# KiCad board SparkFun_Thing_Plus_ESP32-S3_panelized.kicad_pcb (continued)
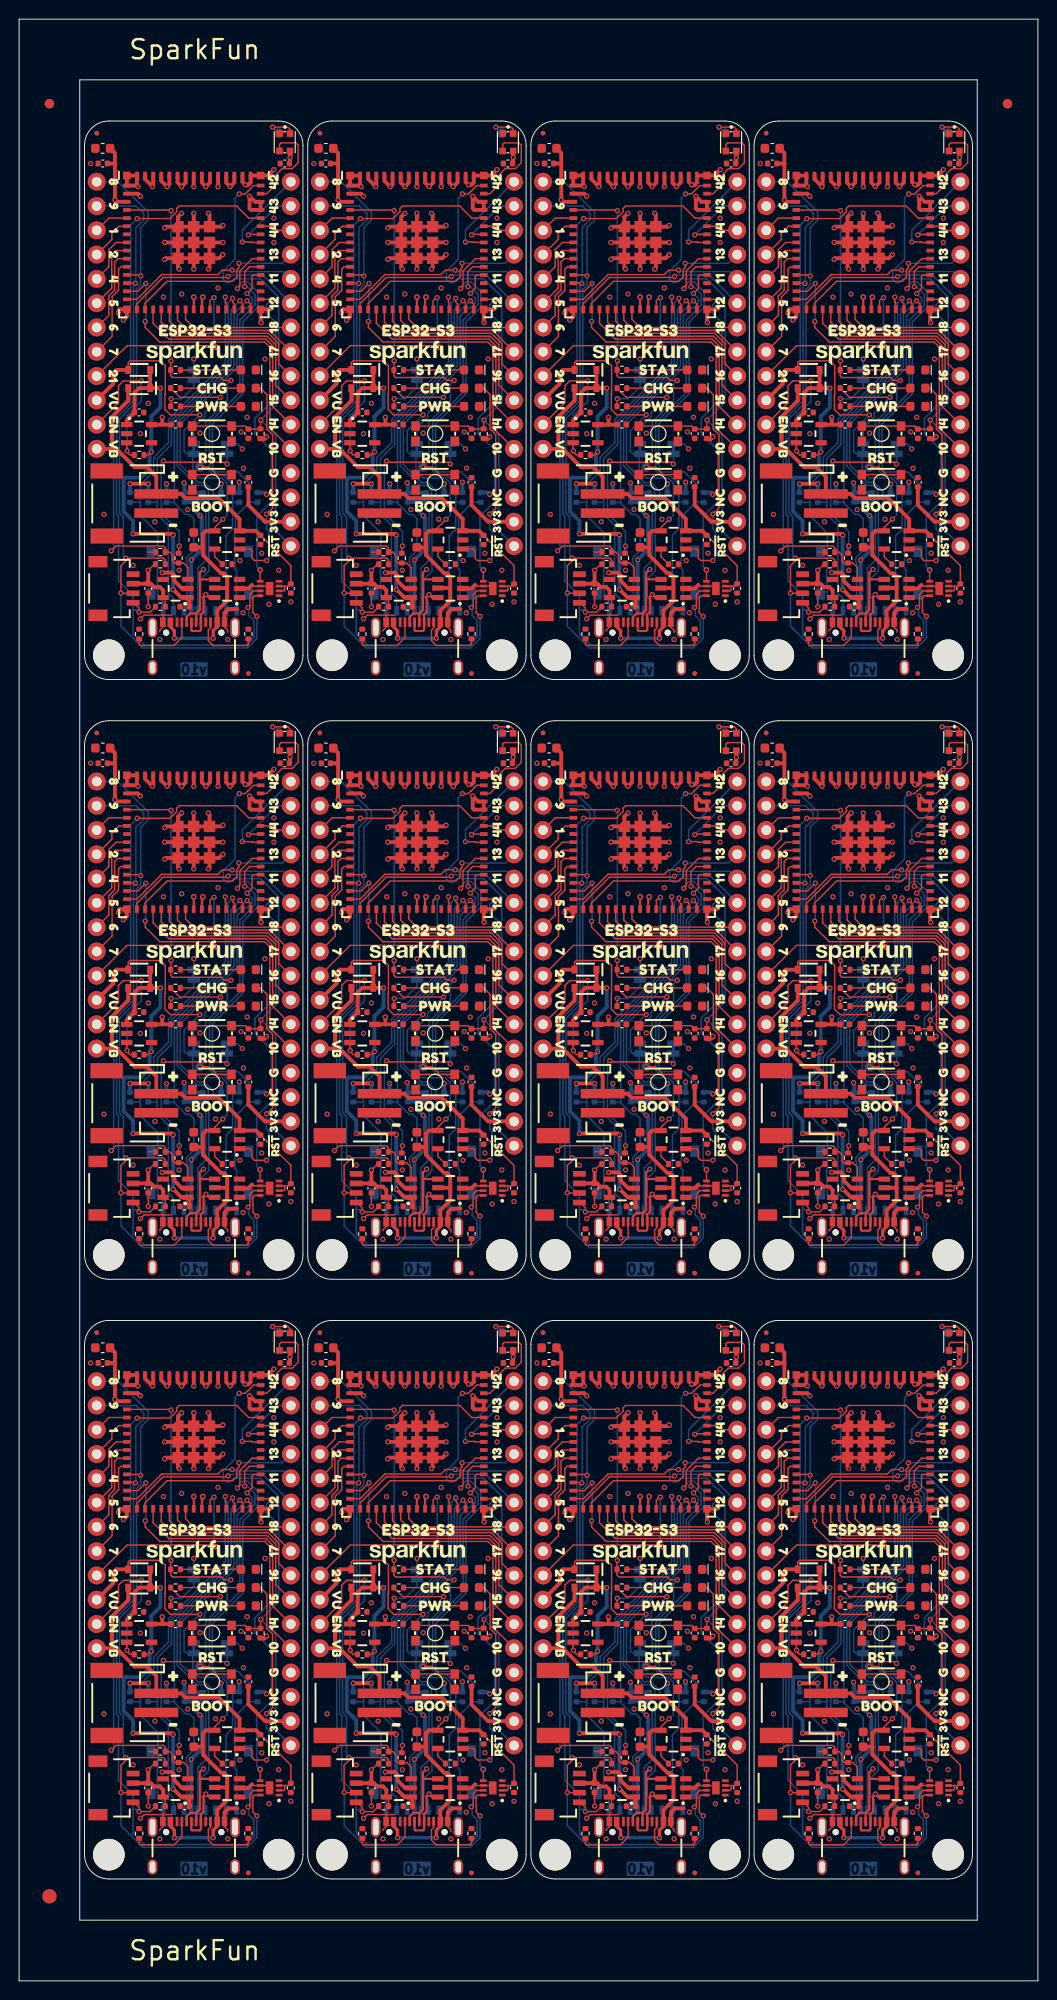
[diagram p0: board, top side]
## Routing (per net, layer and track width the routed paths; a pad name or vN(x,y) marks a point on that pad's centre or on a via; arc(x,y) is an arc through that point) (continued)
ESP42/FREE: length 124.1
  Top w0.152: U3#9.38 94.46,181.84 94.4,181.89 v1(93.44,181.89) ; v1(70.08,56.43) 71.04,56.43 71.1,56.38 U3#3.38 ; v1(70.08,119.16) 71.04,119.16 71.1,119.11 U3#7.38 ; U3#11.38 47.74,119.11 47.68,119.16 v1(46.72,119.16) ; U3#12.38 24.38,56.38 24.32,56.43 v1(23.36,56.43) ; U3#10.38 47.74,56.38 47.68,56.43 v1(46.72,56.43) ; U3#2.38 24.38,181.84 24.32,181.89 v1(23.36,181.89) ; v1(93.44,119.16) 94.4,119.16 94.46,119.11 U3#6.38 ; U3#4.38 47.74,181.84 47.68,181.89 v1(46.72,181.89) ; U3.38 94.46,56.38 94.4,56.43 v1(93.44,56.43) ; U3#8.38 71.1,181.84 71.04,181.89 v1(70.08,181.89) ; U3#5.38 24.38,119.11 24.32,119.16 v1(23.36,119.16)
  Bottom w0.152: U10#6.13 46.72,183.11 v1(46.72,181.89) ; v1(70.08,181.89) 70.08,183.11 U10#2.13 ; U10#5.13 46.72,120.38 v1(46.72,119.16) ; v1(23.36,119.16) 23.36,120.38 U10.13 ; U10#8.13 70.08,120.38 v1(70.08,119.16) ; v1(93.44,119.16) 93.44,120.38 U10#11.13 ; v1(93.44,56.43) 93.44,57.65 U10#10.13 ; v1(93.44,181.89) 93.44,183.11 U10#9.13 ; v1(46.72,56.43) 46.72,57.65 U10#3.13 ; U10#4.13 23.36,183.11 v1(23.36,181.89) ; v1(70.08,56.43) 70.08,57.65 U10#7.13 ; v1(23.36,56.43) 23.36,57.65 U10#12.13
ESP43/TXO: length 84
  Top w0.152: U3.39 94.34,57.23 94.28,57.17 v1(94.07,57.17) ; U3#7.39 70.98,119.96 70.92,119.9 v1(70.72,119.9) ; U3#6.39 94.34,119.96 94.28,119.9 v1(94.07,119.9) ; v1(24,57.17) 24.2,57.17 24.26,57.23 U3#12.39 ; v1(70.72,57.17) 70.92,57.17 70.98,57.23 U3#3.39 ; U3#2.39 24.26,182.69 24.2,182.63 v1(24,182.63) ; U3#11.39 47.62,119.96 47.56,119.9 v1(47.35,119.9) ; U3#9.39 94.34,182.69 94.28,182.63 v1(94.07,182.63) ; v1(70.72,182.63) 70.92,182.63 70.98,182.69 U3#8.39 ; v1(47.35,182.63) 47.56,182.63 47.62,182.69 U3#4.39 ; U3#5.39 24.26,119.96 24.2,119.9 v1(24,119.9) ; U3#10.39 47.62,57.23 47.56,57.17 v1(47.35,57.17)
  Bottom w0.152: v1(24,182.63) 27.01,185.65 U10#4.14 ; v1(47.35,57.17) 50.37,60.19 U10#3.14 ; v1(94.07,57.17) 97.09,60.19 U10#10.14 ; v1(47.35,119.9) 50.37,122.92 U10#5.14 ; U10.14 27.01,122.92 v1(24,119.9) ; U10#7.14 73.73,60.19 v1(70.72,57.17) ; U10#12.14 27.01,60.19 v1(24,57.17) ; v1(94.07,119.9) 97.09,122.92 U10#11.14 ; v1(47.35,182.63) 50.37,185.65 U10#6.14 ; v1(70.72,182.63) 73.73,185.65 U10#2.14 ; v1(70.72,119.9) 73.73,122.92 U10#8.14 ; v1(94.07,182.63) 97.09,185.65 U10#9.14
ESP44/RXI: length 40.1
  Top w0.152: U10#7.15 73.73,57.65 73.3,58.08 U3#3.40 ; U10.15 27.01,120.38 26.58,120.81 U3#5.40 ; U3#9.40 96.66,183.54 97.09,183.11 U10#9.15 ; U10#3.15 50.37,57.65 49.94,58.08 U3#10.40 ; U3#7.40 73.3,120.81 73.73,120.38 U10#8.15 ; U3#2.40 26.58,183.54 27.01,183.11 U10#4.15 ; U3#11.40 49.94,120.81 50.37,120.38 U10#5.15 ; U10#12.15 27.01,57.65 26.58,58.08 U3#12.40 ; U10#11.15 97.09,120.38 96.66,120.81 U3#6.40 ; U3.40 96.66,58.08 97.09,57.65 U10#10.15 ; U3#4.40 49.94,183.54 50.37,183.11 U10#6.15 ; U10#2.15 73.73,183.11 73.3,183.54 U3#8.40
ESP45/Q_EN: length 734.2
  Top w0.152: R19#11.1 62.46,24 62.78,23.68 62.78,23.04 62.97,22.85 R17#4.2 63.92,22.85 64.4,22.38 U1#6.3 ; R19#11.1 62.02,23.93 ; R19#11.1 62.02,24.44 61.82,24.63 56.87,24.63 v1(56.36,24.12) ; v1(12.36,184.34) 15.78,184.34 16.5,185.06 16.5,185.4 16.76,185.65 22.77,185.65 24.03,184.39 U3#2.41 ; v1(33,149.58) 33.51,150.09 38.47,150.09 38.66,149.9 R19#9.1 ; U1#2.3 41.04,22.38 40.56,22.85 R17#9.2 39.61,22.85 39.42,23.04 39.42,23.68 39.1,24 R19.1 ; v1(56.36,149.58) 56.87,150.09 61.82,150.09 62.02,149.9 R19#4.1 ; U3#4.41 47.39,184.39 46.13,185.65 40.12,185.65 39.86,185.4 39.86,185.06 39.14,184.34 v1(35.72,184.34) ; R19#2.1 85.38,23.93 ; R19#2.1 85.82,24 86.14,23.68 86.14,23.04 86.33,22.85 R17#7.2 87.28,22.85 87.76,22.38 U1#8.3 ; R19#2.1 85.38,24.44 85.19,24.63 80.23,24.63 v1(79.72,24.12) ; U3#6.41 94.11,121.66 92.85,122.92 86.84,122.92 86.58,122.67 86.58,122.33 85.86,121.61 v1(82.44,121.61) ; R19#12.1 15.3,23.93 ; R19#12.1 15.74,24 16.06,23.68 16.06,23.04 16.25,22.85 R17#12.2 17.2,22.85 17.68,22.38 U1#12.3 ; R19#12.1 15.3,24.44 15.11,24.63 10.15,24.63 v1(9.64,24.12) ; v1(9.64,149.58) 10.15,150.09 15.11,150.09 15.3,149.9 R19#7.1 ; v1(12.36,58.88) 15.78,58.88 16.5,59.6 16.5,59.94 16.76,60.19 22.77,60.19 24.03,58.93 U3#12.41 ; v1(59.08,121.61) 62.5,121.61 63.22,122.33 63.22,122.67 63.48,122.92 69.49,122.92 70.75,121.66 U3#7.41 ; R19#4.1 62.02,149.39 ; R19#4.1 62.46,149.46 62.78,149.14 62.78,148.5 62.97,148.31 R17#6.2 63.92,148.31 64.4,147.84 U1#4.3 ; R19#3.1 85.38,149.9 85.19,150.09 80.23,150.09 v1(79.72,149.58) ; R19#3.1 85.82,149.46 86.14,149.14 86.14,148.5 86.33,148.31 R17#11.2 87.28,148.31 87.76,147.84 U1#5.3 ; R19#3.1 85.38,149.39 ; v1(9.64,86.85) 10.15,87.36 15.11,87.36 15.3,87.17 R19#6.1 ; R19#6.1 15.3,86.66 ; R19#6.1 15.74,86.73 16.06,86.41 16.06,85.77 16.25,85.58 R17#8.2 17.2,85.58 17.68,85.11 U1#3.3 ; R19.1 38.66,23.93 ; R19.1 38.66,24.44 38.47,24.63 33.51,24.63 v1(33,24.12) ; v1(56.36,86.85) 56.87,87.36 61.82,87.36 62.02,87.17 R19#5.1 ; v1(33,86.85) 33.51,87.36 38.47,87.36 38.66,87.17 R19#8.1 ; R19#10.1 85.38,86.66 ; R19#10.1 85.82,86.73 86.14,86.41 86.14,85.77 86.33,85.58 R17.2 87.28,85.58 87.76,85.11 U1#11.3 ; R19#10.1 85.38,87.17 85.19,87.36 80.23,87.36 v1(79.72,86.85) ; R19#7.1 15.3,149.39 ; R19#7.1 15.74,149.46 16.06,149.14 16.06,148.5 16.25,148.31 R17#2.2 17.2,148.31 17.68,147.84 U1.3 ; R19#9.1 38.66,149.39 ; R19#9.1 39.1,149.46 39.42,149.14 39.42,148.5 39.61,148.31 R17#3.2 40.56,148.31 41.04,147.84 U1#7.3 ; U3#8.41 70.75,184.39 69.49,185.65 63.48,185.65 63.22,185.4 63.22,185.06 62.5,184.34 v1(59.08,184.34) ; v1(82.44,184.34) 85.86,184.34 86.58,185.06 86.58,185.4 86.84,185.65 92.85,185.65 94.11,184.39 U3#9.41 ; U1#10.3 41.04,85.11 40.56,85.58 R17#10.2 39.61,85.58 39.42,85.77 39.42,86.41 39.1,86.73 R19#8.1 ; U3#10.41 47.39,58.93 46.13,60.19 40.12,60.19 39.86,59.94 39.86,59.6 39.14,58.88 v1(35.72,58.88) ; R19#8.1 38.66,86.66 ; v1(12.36,121.61) 15.78,121.61 16.5,122.33 16.5,122.67 16.76,122.92 22.77,122.92 24.03,121.66 U3#5.41 ; R19#5.1 62.46,86.73 62.78,86.41 62.78,85.77 62.97,85.58 R17#5.2 63.92,85.58 64.4,85.11 U1#9.3 ; R19#5.1 62.02,86.66 ; U3.41 94.11,58.93 92.85,60.19 86.84,60.19 86.58,59.94 86.58,59.6 85.86,58.88 v1(82.44,58.88) ; v1(59.08,58.88) 62.5,58.88 63.22,59.6 63.22,59.94 63.48,60.19 69.49,60.19 70.75,58.93 U3#3.41 ; U3#11.41 47.39,121.66 46.13,122.92 40.12,122.92 39.86,122.67 39.86,122.33 39.14,121.61 v1(35.72,121.61)
  Bottom w0.152: v1(12.36,184.34) 11.67,183.65 11.67,165.42 9.9,163.64 9.9,153.27 9.9,153.27 9.9,149.84 v1(9.64,149.58) ; v1(79.72,24.12) 79.98,24.38 79.98,27.81 79.98,27.81 79.98,38.18 81.75,39.96 81.75,58.19 v1(82.44,58.88) ; v1(12.36,121.61) 11.67,120.92 11.67,102.69 9.9,100.91 9.9,90.54 9.9,90.54 9.9,87.11 v1(9.64,86.85) ; v1(79.72,86.85) 79.98,87.11 79.98,90.54 79.98,90.54 79.98,100.91 81.75,102.69 81.75,120.92 v1(82.44,121.61) ; v1(79.72,149.58) 79.98,149.84 79.98,153.27 79.98,153.27 79.98,163.64 81.75,165.42 81.75,183.65 v1(82.44,184.34) ; v1(56.36,149.58) 56.62,149.84 56.62,153.27 56.62,153.27 56.62,163.64 58.39,165.42 58.39,183.65 v1(59.08,184.34) ; v1(56.36,24.12) 56.62,24.38 56.62,27.81 56.62,27.81 56.62,38.18 58.39,39.96 58.39,58.19 v1(59.08,58.88) ; v1(59.08,121.61) 58.39,120.92 58.39,102.69 56.62,100.91 56.62,90.54 56.62,90.54 56.62,87.11 v1(56.36,86.85) ; v1(35.72,58.88) 35.03,58.19 35.03,39.96 33.26,38.18 33.26,27.81 33.26,27.81 33.26,24.38 v1(33,24.12) ; v1(9.64,24.12) 9.9,24.38 9.9,27.81 9.9,27.81 9.9,38.18 11.67,39.96 11.67,58.19 v1(12.36,58.88) ; v1(33,149.58) 33.26,149.84 33.26,153.27 33.26,153.27 33.26,163.64 35.03,165.42 35.03,183.65 v1(35.72,184.34) ; v1(33,86.85) 33.26,87.11 33.26,90.54 33.26,90.54 33.26,100.91 35.03,102.69 35.03,120.92 v1(35.72,121.61)
ESP46/LED: length 125.8
  Top w0.152: 27.25,191.4 27.25,192.09 27.42,192.25 28.95,192.25 29.2,192 29.2,190.18 28.58,189.56 27.52,189.56 26.92,188.95 26.92,187.94 25.92,186.94 U3#2.44 ; D6#9.3 97.34,66.62 97.5,66.79 99.03,66.79 99.28,66.54 99.28,64.72 98.66,64.1 97.6,64.1 97,63.49 97,62.48 96,61.48 U3.44 ; D6#5.3 50.62,66.62 50.78,66.79 52.31,66.79 52.56,66.54 52.56,64.72 51.94,64.1 50.88,64.1 50.28,63.49 50.28,62.48 49.28,61.48 U3#10.44 ; U3#3.44 72.64,61.48 73.64,62.48 73.64,63.49 74.24,64.1 75.3,64.1 75.92,64.72 75.92,66.54 75.67,66.79 74.14,66.79 73.97,66.62 D6#8.3 ; U3#4.44 49.28,186.94 50.28,187.94 50.28,188.95 50.88,189.56 51.94,189.56 52.56,190.18 52.56,192 52.31,192.25 50.78,192.25 50.62,192.09 D6#7.3 ; D6#11.3 97.34,192.09 97.5,192.25 99.03,192.25 99.28,192 99.28,190.18 98.66,189.56 97.6,189.56 97,188.95 97,187.94 96,186.94 U3#9.44 ; 27.25,65.94 27.25,66.62 27.42,66.79 28.95,66.79 29.2,66.54 29.2,64.72 28.58,64.1 27.52,64.1 26.92,63.49 26.92,62.48 25.92,61.48 U3#12.44 ; U3#11.44 49.28,124.21 50.28,125.21 50.28,126.22 50.88,126.83 51.94,126.83 52.56,127.45 52.56,129.27 52.31,129.52 50.78,129.52 50.62,129.36 D6#3.3 ; U3#6.44 96,124.21 97,125.21 97,126.22 97.6,126.83 98.66,126.83 99.28,127.45 99.28,129.27 99.03,129.52 97.5,129.52 97.34,129.36 D6#10.3 ; D6#2.3 73.97,192.09 74.14,192.25 75.67,192.25 75.92,192 75.92,190.18 75.3,189.56 74.24,189.56 73.64,188.95 73.64,187.94 72.64,186.94 U3#8.44 ; D6#4.3 73.97,129.36 74.14,129.52 75.67,129.52 75.92,129.27 75.92,127.45 75.3,126.83 74.24,126.83 73.64,126.22 73.64,125.21 72.64,124.21 U3#7.44 ; 27.25,128.67 27.25,129.36 27.42,129.52 28.95,129.52 29.2,129.27 29.2,127.45 28.58,126.83 27.52,126.83 26.92,126.22 26.92,125.21 25.92,124.21 U3#5.44
ESP47/SDIO2: length 479
  Top w0.152: U3#12.27 21.68,50.06 21.58,50.16 v1(21.58,50.67) ; U3#6.27 91.76,112.79 91.66,112.89 v1(91.66,113.4) ; v1(44.94,50.67) 44.94,50.16 45.04,50.06 U3#10.27 ; U3#9.27 91.76,175.52 91.66,175.62 v1(91.66,176.12) ; v1(44.94,176.12) 44.94,175.62 45.04,175.52 U3#4.27 ; U3#2.27 21.68,175.52 21.58,175.62 v1(21.58,176.12) ; v1(44.94,113.4) 44.94,112.89 45.04,112.79 U3#11.27 ; v1(91.66,50.67) 91.66,50.16 91.76,50.06 U3.27 ; U3#8.27 68.4,175.52 68.3,175.62 v1(68.3,176.12) ; v1(21.58,113.4) 21.58,112.89 21.68,112.79 U3#5.27 ; v1(68.3,50.67) 68.3,50.16 68.4,50.06 U3#3.27 ; v1(68.3,113.4) 68.3,112.89 68.4,112.79 U3#7.27
  Bottom w0.152: v1(68.3,113.4) 68.3,106.54 62.36,100.59 62.36,98.18 60.81,96.63 60.81,95.16 59.41,93.76 59.41,91.93 ; v1(68.3,50.67) 68.3,43.81 62.36,37.86 62.36,35.45 60.81,33.9 60.81,32.43 59.41,31.03 59.41,29.2 ; 82.77,154.66 82.77,156.49 84.17,157.89 84.17,159.36 85.72,160.91 85.72,163.32 91.66,169.27 v1(91.66,176.12) ; 82.77,154.66 82.77,153.27 84.6,151.44 84.6,147.6 84.55,147.55 84.55,145.9 84.6,145.85 84.6,144.83 85.15,144.29 J2#4.1 ; 82.77,154.66 82.77,154.66 R5#11.2 ; 59.41,91.93 59.41,91.93 R5#6.2 ; 59.41,91.93 59.41,90.53 61.24,88.71 61.24,84.87 61.19,84.82 61.19,83.17 61.24,83.12 61.24,82.1 61.78,81.56 J2#5.1 ; 36.05,29.2 36.05,31.03 37.45,32.43 37.45,33.9 39,35.45 39,37.86 44.94,43.81 v1(44.94,50.67) ; 36.05,29.2 36.05,27.81 37.88,25.98 37.88,22.14 37.83,22.09 37.83,20.44 37.88,20.39 37.88,19.37 38.43,18.83 38.43,17.86 ; 36.05,29.2 36.05,29.2 R5#7.2 ; 82.77,29.2 82.77,27.81 84.6,25.98 84.6,22.14 84.55,22.09 84.55,20.44 84.6,20.39 84.6,19.37 85.15,18.83 85.15,17.86 ; 82.77,29.2 82.77,29.2 R5.2 ; 82.77,29.2 82.77,31.03 84.17,32.43 84.17,33.9 85.72,35.45 85.72,37.86 91.66,43.81 v1(91.66,50.67) ; 12.69,154.66 12.69,154.66 R5#4.2 ; 12.69,154.66 12.69,156.49 14.09,157.89 14.09,159.36 15.64,160.91 15.64,163.32 21.58,169.27 v1(21.58,176.12) ; 12.69,154.66 12.69,153.27 14.52,151.44 14.52,147.6 14.47,147.55 14.47,145.9 14.52,145.85 14.52,144.83 15.06,144.29 J2#2.1 ; R5#5.2 82.77,91.93 82.77,91.93 ; 36.05,91.93 36.05,91.93 R5#9.2 ; 36.05,91.93 36.05,93.76 37.45,95.16 37.45,96.63 39,98.18 39,100.59 44.94,106.54 v1(44.94,113.4) ; 36.05,91.93 36.05,90.53 37.88,88.71 37.88,84.87 37.83,84.82 37.83,83.17 37.88,83.12 37.88,82.1 38.43,81.56 J2#10.1 ; 12.69,29.2 12.69,27.81 14.52,25.98 14.52,22.14 14.47,22.09 14.47,20.44 14.52,20.39 14.52,19.37 15.06,18.83 15.06,17.86 ; 12.69,29.2 12.69,31.03 14.09,32.43 14.09,33.9 15.64,35.45 15.64,37.86 21.58,43.81 v1(21.58,50.67) ; 12.69,29.2 12.69,29.2 R5#12.2 ; 36.05,154.66 36.05,153.27 37.88,151.44 37.88,147.6 37.83,147.55 37.83,145.9 37.88,145.85 37.88,144.83 38.43,144.29 J2#9.1 ; 36.05,154.66 36.05,156.49 37.45,157.89 37.45,159.36 39,160.91 39,163.32 44.94,169.27 v1(44.94,176.12) ; 36.05,154.66 36.05,154.66 R5#8.2 ; 82.77,91.93 82.77,90.53 84.6,88.71 84.6,84.87 84.55,84.82 84.55,83.17 84.6,83.12 84.6,82.1 85.15,81.56 J2#8.1 ; 82.77,91.93 82.77,93.76 84.17,95.16 84.17,96.63 85.72,98.18 85.72,100.59 91.66,106.54 v1(91.66,113.4) ; R5#3.2 59.41,154.66 59.41,154.66 ; 59.41,154.66 59.41,153.27 61.24,151.44 61.24,147.6 61.19,147.55 61.19,145.9 61.24,145.85 61.24,144.83 61.78,144.29 J2#6.1 ; 59.41,154.66 59.41,156.49 60.81,157.89 60.81,159.36 62.36,160.91 62.36,163.32 68.3,169.27 v1(68.3,176.12) ; v1(21.58,113.4) 21.58,106.54 15.64,100.59 15.64,98.18 14.09,96.63 14.09,95.16 12.69,93.76 12.69,91.93 ; 61.78,17.86 61.78,18.83 61.24,19.37 61.24,20.39 61.19,20.44 61.19,22.09 61.24,22.14 61.24,25.98 59.41,27.81 59.41,29.2 ; 12.69,91.93 12.69,90.53 14.52,88.71 14.52,84.87 14.47,84.82 14.47,83.17 14.52,83.12 14.52,82.1 15.06,81.56 J2.1 ; 12.69,91.93 12.69,91.93 R5#2.2 ; 59.41,29.2 59.41,29.2 R5#10.2
ESP48/SDIO_~{DET}: length 464.5
  Top w0.152: U3#11.30 47.59,112.65 v1(47.23,113.01) ; v1(23.87,113.01) 24.23,112.65 U3#5.30 ; v1(23.87,175.74) 24.23,175.38 U3#2.30 ; U3#12.30 24.23,49.92 v1(23.87,50.28) ; U3#6.30 94.31,112.65 v1(93.95,113.01) ; v1(47.23,50.28) 47.59,49.92 U3#10.30 ; U3#8.30 70.95,175.38 v1(70.59,175.74) ; v1(93.95,50.28) 94.31,49.92 U3.30 ; v1(47.23,175.74) 47.59,175.38 U3#4.30 ; U3#3.30 70.95,49.92 v1(70.59,50.28) ; v1(70.59,113.01) 70.95,112.65 U3#7.30 ; v1(93.95,175.74) 94.31,175.38 U3#9.30
  Bottom w0.152: v1(70.59,50.28) 69.22,48.91 69.22,43.43 63.27,37.48 63.27,33.01 65.3,30.98 65.99,30.98 66.52,30.45 66.52,28.69 66.27,28.44 66.27,23.15 65.44,22.32 65.44,17.86 ; J2#6.9 65.44,147.78 66.27,148.61 66.27,153.9 66.52,154.15 66.52,155.91 65.99,156.44 65.3,156.44 63.27,158.47 63.27,162.94 69.22,168.89 69.22,174.37 v1(70.59,175.74) ; J2#2.9 18.72,147.78 19.55,148.61 19.55,153.9 19.8,154.15 19.8,155.91 19.27,156.44 18.58,156.44 16.55,158.47 16.55,162.94 22.5,168.89 22.5,174.37 v1(23.87,175.74) ; 18.72,17.86 18.72,22.32 19.55,23.15 19.55,28.44 19.8,28.69 19.8,30.45 19.27,30.98 18.58,30.98 16.55,33.01 16.55,37.48 22.5,43.43 22.5,48.91 v1(23.87,50.28) ; 42.07,143.32 42.07,147.78 42.91,148.61 42.91,153.9 43.16,154.15 43.16,155.91 42.63,156.44 41.94,156.44 39.91,158.47 39.91,162.94 45.86,168.89 45.86,174.37 v1(47.23,175.74) ; v1(93.95,50.28) 92.58,48.91 92.58,43.43 86.63,37.48 86.63,33.01 88.66,30.98 89.35,30.98 89.88,30.45 89.88,28.69 89.63,28.44 89.63,23.15 88.79,22.32 88.79,17.86 ; v1(70.59,113.01) 69.22,111.64 69.22,106.16 63.27,100.21 63.27,95.74 65.3,93.71 65.99,93.71 66.52,93.18 66.52,91.42 66.27,91.17 66.27,85.88 65.44,85.05 J2#5.9 ; v1(47.23,50.28) 45.86,48.91 45.86,43.43 39.91,37.48 39.91,33.01 41.94,30.98 42.63,30.98 43.16,30.45 43.16,28.69 42.91,28.44 42.91,23.15 42.07,22.32 42.07,17.86 ; 42.07,80.59 42.07,85.05 42.91,85.88 42.91,91.17 43.16,91.42 43.16,93.18 42.63,93.71 41.94,93.71 39.91,95.74 39.91,100.21 45.86,106.16 45.86,111.64 v1(47.23,113.01) ; v1(93.95,175.74) 92.58,174.37 92.58,168.89 86.63,162.94 86.63,158.47 88.66,156.44 89.35,156.44 89.88,155.91 89.88,154.15 89.63,153.9 89.63,148.61 88.79,147.78 88.79,143.32 ; 88.79,80.59 88.79,85.05 89.63,85.88 89.63,91.17 89.88,91.42 89.88,93.18 89.35,93.71 88.66,93.71 86.63,95.74 86.63,100.21 92.58,106.16 92.58,111.64 v1(93.95,113.01) ; J2.9 18.72,85.05 19.55,85.88 19.55,91.17 19.8,91.42 19.8,93.18 19.27,93.71 18.58,93.71 16.55,95.74 16.55,100.21 22.5,106.16 22.5,111.64 v1(23.87,113.01)
ESP~{RST}: length 665.2
  Top w0.152: SW2#3.1 SW2#3.1 47.03,99.91 C6#4.1 48.59,99.59 R8#8.2 48.62,100.51 v1(48.65,100.54) ; SW2#5.1 SW2#5.1 47.03,162.64 C6#5.1 48.59,162.32 R8#6.2 48.62,163.24 v1(48.65,163.27) ; SW2#8.1 SW2#8.1 70.4,99.91 C6#7.1 71.96,99.59 R8#7.2 71.99,100.51 v1(72.01,100.54) ; v1(93.12,186.92) 93.74,186.92 93.99,187.17 94.01,187.17 94.63,187.79 U3#9.45 ; SW2#7.1 SW2#7.1 23.67,162.64 C6#10.1 25.23,162.32 R8#11.2 25.27,163.24 v1(25.29,163.27) ; v1(95.37,163.27) 95.34,163.24 R8#10.2 95.31,162.32 C6#11.1 93.75,162.64 SW2#10.1 SW2#10.1 ; U3.45 94.63,62.33 94.01,61.71 93.99,61.71 93.74,61.46 v1(93.12,61.46) ; v1(46.4,186.92) 47.02,186.92 47.27,187.17 47.29,187.17 47.91,187.79 U3#4.45 ; v1(23.04,61.46) 23.66,61.46 23.91,61.71 23.93,61.71 24.55,62.33 U3#12.45 ; v1(25.29,37.81) 25.27,37.78 R8.2 25.23,36.86 C6#12.1 23.67,37.18 SW2#12.1 SW2#12.1 ; SW2#11.1 SW2#11.1 93.75,99.91 C6#3.1 95.31,99.59 R8#12.2 95.34,100.51 v1(95.37,100.54) ; U3#7.45 71.27,125.06 70.65,124.44 70.63,124.44 70.38,124.19 v1(69.76,124.19) ; v1(23.04,124.19) 23.66,124.19 23.91,124.44 23.93,124.44 24.55,125.06 U3#5.45 ; SW2.1 SW2.1 93.75,37.18 C6#6.1 95.31,36.86 R8#5.2 95.34,37.78 v1(95.37,37.81) ; SW2#4.1 SW2#4.1 70.4,37.18 C6.1 71.96,36.86 R8#9.2 71.99,37.78 v1(72.01,37.81) ; SW2#6.1 SW2#6.1 23.67,99.91 C6#9.1 25.23,99.59 R8#4.2 25.27,100.51 v1(25.29,100.54) ; U3#8.45 71.27,187.79 70.65,187.17 70.63,187.17 70.38,186.92 v1(69.76,186.92) ; v1(72.01,163.27) 71.99,163.24 R8#2.2 71.96,162.32 C6#8.1 70.4,162.64 SW2#2.1 SW2#2.1 ; U3#11.45 47.91,125.06 47.29,124.44 47.27,124.44 47.02,124.19 v1(46.4,124.19) ; SW2#9.1 SW2#9.1 47.03,37.18 C6#2.1 48.59,36.86 R8#3.2 48.62,37.78 v1(48.65,37.81) ; U3#3.45 71.27,62.33 70.65,61.71 70.63,61.71 70.38,61.46 v1(69.76,61.46) ; v1(23.04,186.92) 23.66,186.92 23.91,187.17 23.93,187.17 24.55,187.79 U3#2.45 ; v1(46.4,61.46) 47.02,61.46 47.27,61.71 47.29,61.71 47.91,62.33 U3#10.45 ; U3#6.45 94.63,125.06 94.01,124.44 93.99,124.44 93.74,124.19 v1(93.12,124.19)
  Bottom w0.152: U10#2.28 73.57,151.68 73.57,161.7 v1(72.01,163.27) 73.89,165.15 73.89,176.12 71.99,178.03 69.19,178.03 68.81,177.65 68.43,177.65 68.09,177.99 68.09,178.84 69.32,180.06 69.32,186.48 v1(69.76,186.92) ; v1(69.76,124.19) 69.32,123.75 69.32,117.33 68.09,116.11 68.09,115.26 68.43,114.92 68.81,114.92 69.19,115.3 71.99,115.3 73.89,113.4 73.89,102.42 v1(72.01,100.54) 73.57,98.97 73.57,88.95 U10#8.28 ; v1(93.12,61.46) 92.68,61.02 92.68,54.6 91.45,53.38 91.45,52.53 91.79,52.19 92.17,52.19 92.55,52.57 95.34,52.57 97.25,50.67 97.25,39.69 v1(95.37,37.81) 96.93,36.24 96.93,26.22 U10#10.28 ; U10#9.28 96.93,151.68 96.93,161.7 v1(95.37,163.27) 97.25,165.15 97.25,176.12 95.34,178.03 92.55,178.03 92.17,177.65 91.79,177.65 91.45,177.99 91.45,178.84 92.68,180.06 92.68,186.48 v1(93.12,186.92) ; U10#5.28 50.21,88.95 50.21,98.97 v1(48.65,100.54) 50.53,102.42 50.53,113.4 48.62,115.3 45.83,115.3 45.45,114.92 45.07,114.92 44.73,115.26 44.73,116.11 45.96,117.33 45.96,123.75 v1(46.4,124.19) ; v1(46.4,61.46) 45.96,61.02 45.96,54.6 44.73,53.38 44.73,52.53 45.07,52.19 45.45,52.19 45.83,52.57 48.62,52.57 50.53,50.67 50.53,39.69 v1(48.65,37.81) 50.21,36.24 50.21,26.22 U10#3.28 ; v1(93.12,124.19) 92.68,123.75 92.68,117.33 91.45,116.11 91.45,115.26 91.79,114.92 92.17,114.92 92.55,115.3 95.34,115.3 97.25,113.4 97.25,102.42 v1(95.37,100.54) 96.93,98.97 96.93,88.95 U10#11.28 ; U10#7.28 73.57,26.22 73.57,36.24 v1(72.01,37.81) 73.89,39.69 73.89,50.67 71.99,52.57 69.19,52.57 68.81,52.19 68.43,52.19 68.09,52.53 68.09,53.38 69.32,54.6 69.32,61.02 v1(69.76,61.46) ; U10#6.28 50.21,151.68 50.21,161.7 v1(48.65,163.27) 50.53,165.15 50.53,176.12 48.62,178.03 45.83,178.03 45.45,177.65 45.07,177.65 44.73,177.99 44.73,178.84 45.96,180.06 45.96,186.48 v1(46.4,186.92) ; v1(23.04,61.46) 22.6,61.02 22.6,54.6 21.37,53.38 21.37,52.53 21.71,52.19 22.09,52.19 22.47,52.57 25.27,52.57 27.17,50.67 27.17,39.69 v1(25.29,37.81) 26.85,36.24 26.85,26.22 U10#12.28 ; v1(23.04,186.92) 22.6,186.48 22.6,180.06 21.37,178.84 21.37,177.99 21.71,177.65 22.09,177.65 22.47,178.03 25.27,178.03 27.17,176.12 27.17,165.15 v1(25.29,163.27) 26.85,161.7 26.85,151.68 U10#4.28 ; v1(23.04,124.19) 22.6,123.75 22.6,117.33 21.37,116.11 21.37,115.26 21.71,114.92 22.09,114.92 22.47,115.3 25.27,115.3 27.17,113.4 27.17,102.42 v1(25.29,100.54) 26.85,98.97 26.85,88.95 U10.28
VUSB: length 697.2
  Top w0.152: v1(18.92,101.08) 15.84,101.08 15.26,101.65 15.26,103.23 15.3,103.27 15.3,106.22 14.79,106.73 11.61,106.73 11.42,106.53 D2#11.A ; v1(65.63,163.81) 62.56,163.81 61.98,164.38 61.98,165.97 62.02,166 62.02,168.95 61.51,169.46 58.33,169.46 58.13,169.26 D2#9.A ; v1(89,38.35) 85.92,38.35 85.34,38.92 85.34,40.5 85.38,40.54 85.38,43.49 84.87,44 81.69,44 81.5,43.8 D2#6.A ; U5#4.4 67.19,26.57 v1(68.05,27.42) ; v1(21.33,90.15) 20.47,89.3 U5#8.4 ; v1(42.28,38.35) 39.2,38.35 38.62,38.92 38.62,40.5 38.66,40.54 38.66,43.49 38.15,44 34.97,44 34.78,43.8 D2#8.A ; v1(21.33,152.88) 20.47,152.03 20.47,151.68 ; v1(44.69,27.42) 43.83,26.57 U5#7.4 ; 43.83,151.68 43.83,152.03 v1(44.69,152.88) ; v1(68.05,152.88) 67.19,152.03 67.19,151.68 ; v1(91.41,27.42) 90.55,26.57 U5#3.4 ; D2.A 58.13,106.53 58.33,106.73 61.51,106.73 62.02,106.22 62.02,103.27 61.98,103.23 61.98,101.65 62.56,101.08 v1(65.63,101.08) ; v1(42.28,101.08) 39.2,101.08 38.62,101.65 38.62,103.23 38.66,103.27 38.66,106.22 38.15,106.73 34.97,106.73 34.78,106.53 D2#7.A ; v1(18.92,38.35) 15.84,38.35 15.26,38.92 15.26,40.5 15.3,40.54 15.3,43.49 14.79,44 11.61,44 11.42,43.8 D2#12.A ; D2#4.A 81.5,169.26 81.69,169.46 84.87,169.46 85.38,168.95 85.38,166 85.34,165.97 85.34,164.38 85.92,163.81 v1(89,163.81) ; v1(91.41,90.15) 90.55,89.3 U5#6.4 ; U5#12.4 20.47,26.57 v1(21.33,27.42) ; v1(42.28,163.81) 39.2,163.81 38.62,164.38 38.62,165.97 38.66,166 38.66,168.95 38.15,169.46 34.97,169.46 34.78,169.26 D2#5.A ; D2#2.A 11.42,169.26 11.61,169.46 14.79,169.46 15.3,168.95 15.3,166 15.26,165.97 15.26,164.38 15.84,163.81 v1(18.92,163.81) ; v1(91.41,152.88) 90.55,152.03 90.55,151.68 ; U5#10.4 67.19,89.3 v1(68.05,90.15) ; v1(44.69,90.15) 43.83,89.3 U5#9.4 ; v1(65.63,38.35) 62.56,38.35 61.98,38.92 61.98,40.5 62.02,40.54 62.02,43.49 61.51,44 58.33,44 58.13,43.8 D2#3.A ; v1(89,101.08) 85.92,101.08 85.34,101.65 85.34,103.23 85.38,103.27 85.38,106.22 84.87,106.73 81.69,106.73 81.5,106.53 D2#10.A